# Allegro board BeagleBone_Black_RevB3_NO_LOGO.brd (continued)
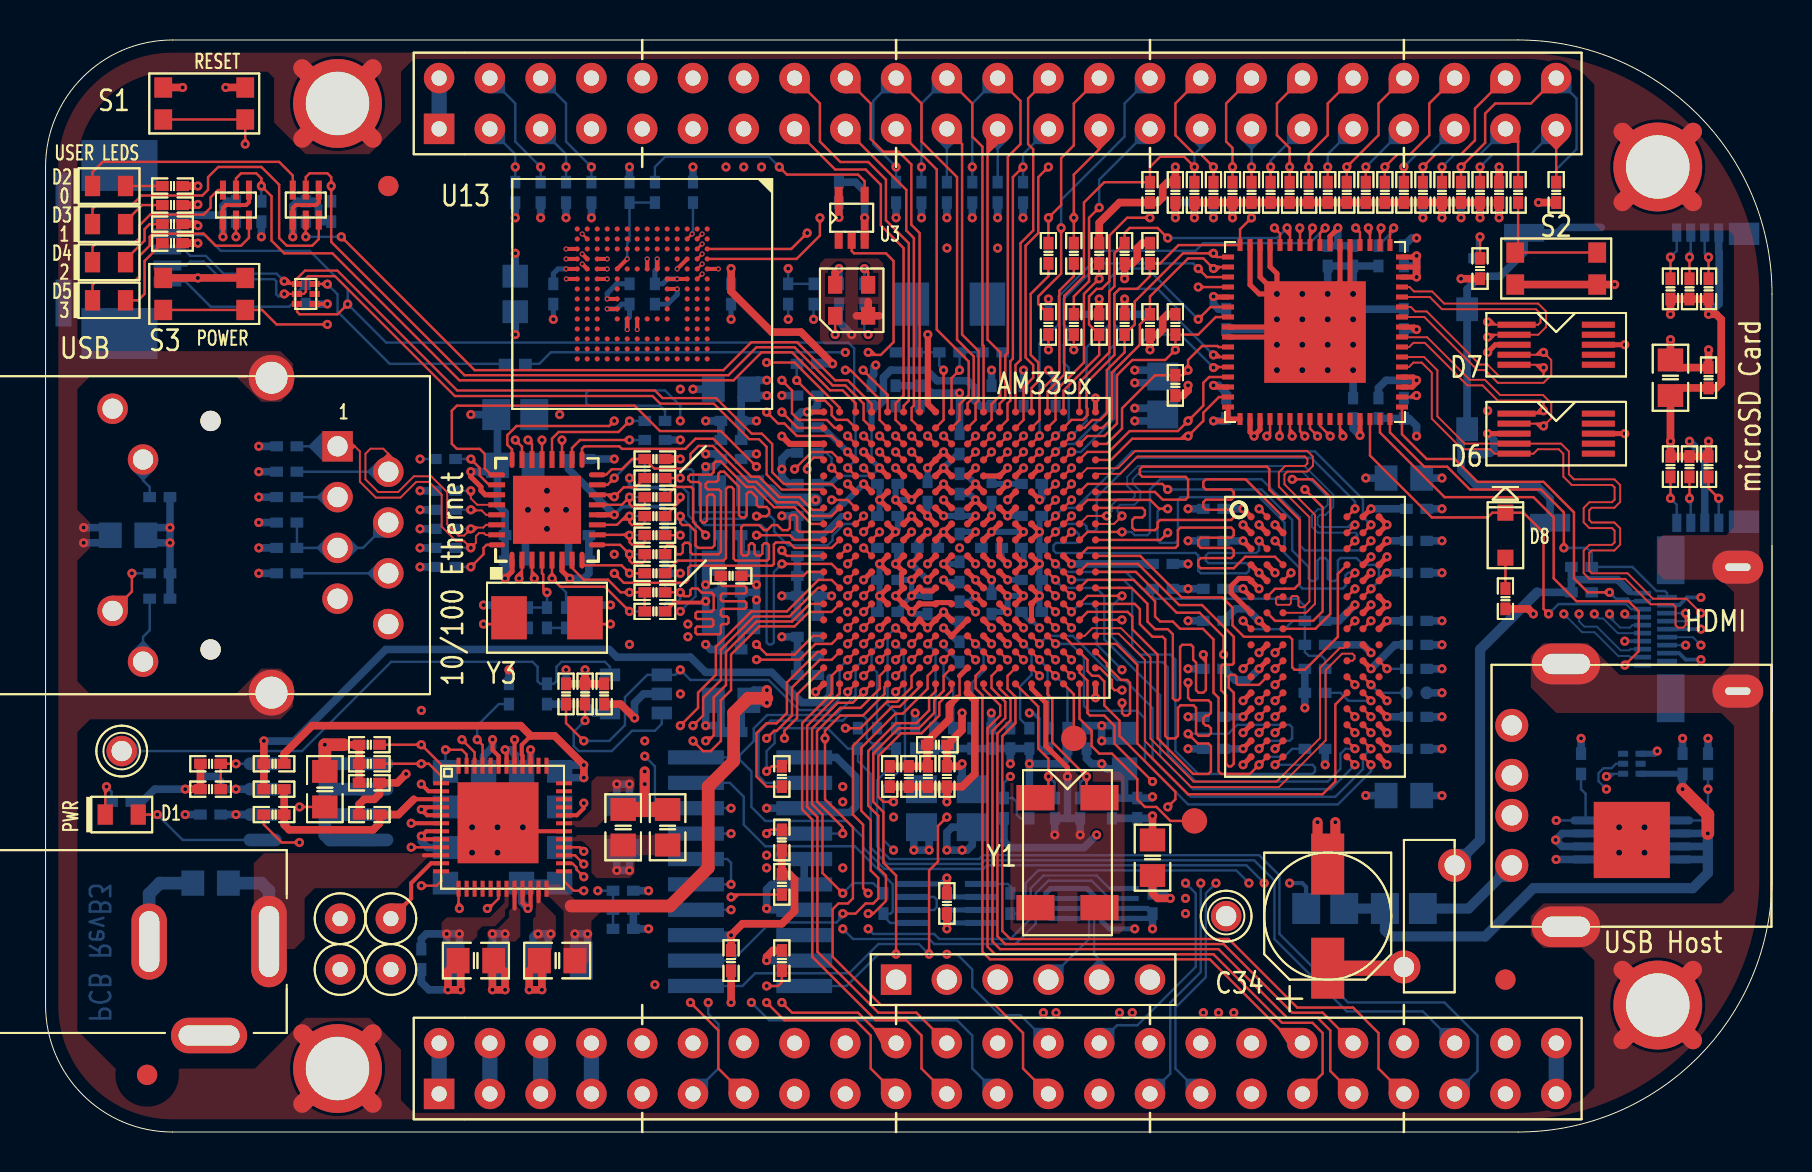
[diagram p0: board, top side]
## Routing (per net, layer and track width the routed paths; a pad name or vN(x,y) marks a point on that pad's centre or on a via; arc(x,y) is an arc through that point) (continued)
LCD_DATA7: length 42.4
  TOP w0.121: v1(57.66,43.18) 58.08,42.76 U11.3 ; R88.1 v1(65.09,48.26) 66.67,49.85 66.67,51.44 P8.40 ; v1(50.52,34.81) U5.T4
  LYR3 w0.133: v1(65.09,48.26) 65.09,48.32 64.39,49.02 64.39,50.67 63.5,51.56 59.82,51.56 58.93,50.67 58.93,49.78 58.17,49.02 57.53,49.02 57.02,48.51 57.02,43.81 v1(57.66,43.18)
  BOTTOM w0.121: v1(65.09,48.26) R88.1 ; v1(57.66,43.18) 57.4,43.43 52.7,43.43 50.93,41.66 50.93,40.39 C161.1 50.93,39.37 50.93,38.48 51.18,38.23 51.18,35.47 v1(50.52,34.81)
LCD_DATA8: length 32.8
  TOP w0.121: R87.1 v1(64.14,48.26) ; U5.U1 52.86,35.21 53.34,35.69 53.34,37.97 54.74,39.37 54.74,40.39 C160.1 55.24,41.78 57.15,43.69 57.91,43.69 v1(58.42,43.18) 58.49,43.25 U11.2
  LYR3 w0.133: v1(64.14,48.26) 64.14,50.55 63.37,51.31 59.94,51.31 59.18,50.55 59.18,49.66 57.91,48.39 57.91,43.69 v1(58.42,43.18)
  BOTTOM w0.121: R87.1 v1(64.14,48.26) 64.14,48.9 P8.37
LCD_DATA9: length 30.2
  TOP w0.121: R86.1 v1(63.18,48.26) 63.18,48.9 64.14,49.85 64.14,51.44 P8.38 ; U11.1 58.61,43.76 v1(58.42,43.94) 56.9,43.94 54.48,41.53 54.48,40.39 C157.1 53.98,38.99 53.09,38.1 53.09,35.94 52.75,35.61 52.36,35.61 51.96,35.21 U5.U2
  LYR3 w0.133: v1(63.18,48.26) 63.18,48.32 62.36,49.15 59.56,49.15 58.93,48.51 58.93,44.45 v1(58.42,43.94)
  BOTTOM w0.121: v1(63.18,48.26) R86.1
LCD_DATA10: length 30
  TOP w0.121: U5.U3 51.32,35.61 51.88,35.61 52.12,35.85 52.12,36.17 52.07,36.22 52.07,37.47 53.47,38.86 53.47,41.91 53.72,42.16 54.61,42.16 55.24,42.8 C156.1 55.75,43.43 56.67,44.36 U11.64 59.75,45.14 v1(60.33,45.72) ; R85.1 v1(62.23,48.26) 62.23,49.21 61.59,49.85 61.59,51.44 P8.36
  LYR3 w0.133: v1(60.33,45.72) 60.33,47.37 59.82,47.88 59.82,48.51 60.2,48.9 61.01,48.9 61.01,48.9 61.59,48.9 v1(62.23,48.26)
  BOTTOM w0.121: v1(62.23,48.26) R85.1
LCD_DATA11: length 32.4
  TOP w0.121: P8.34 59.05,51.44 59.05,49.53 59.37,49.21 v1(59.37,48.26) R84.1 ; U11.60 61.75,44.93 v1(61.47,45.21) ; C168.1 v1(52.7,42.67) 51.94,41.91 51.94,38.48 50.52,37.06 50.52,35.61 U5.U4
  LYR3 w0.133: v1(59.37,48.26) 59.37,47.56 59.82,47.12 59.82,45.47 60.07,45.21 v1(61.47,45.21) 61.47,44.32 59.82,42.67 57.4,42.67 56.9,43.18 53.21,43.18 v1(52.7,42.67)
  BOTTOM w0.121: v1(59.37,48.26) R84.1
LCD_DATA12: length 26.9
  TOP w0.121: R83.1 v1(61.28,48.26) ; v1(62.1,45.21) 62.25,45.06 U11.59 ; v1(56.13,44.7) 55.63,45.21 54.23,45.21 53.98,44.96 C167.1 53.47,43.94 53.47,42.29 53.21,42.04 53.21,38.99 51.72,37.5 U5.V2
  LYR3 w0.133: v1(62.1,45.21) 61.28,46.04 v1(61.28,48.26)
  BOTTOM w0.121: R83.1 v1(61.28,48.26) 61.28,48.58 P8.35 ; v1(56.13,44.7) 61.59,44.7 v1(62.1,45.21)
LCD_DATA13: length 30.4
  TOP w0.121: U5.V3 50.92,37.08 52.7,38.86 C166.1 52.2,40.39 52.2,41.78 52.58,42.16 52.83,42.16 53.21,42.55 53.21,44.83 54.1,45.72 v1(55.24,45.72) ; U11.58 62.75,45.2 v1(62.74,45.21) ; R82.1 v1(60.33,48.26)
  LYR3 w0.133: v1(60.33,48.26) 60.73,48.66 61.1,48.66 61.11,48.67 61.45,48.67 61.72,48.39 61.72,46.23 v1(62.74,45.21)
  LYR4 w0.133: v1(55.24,45.72) 55.75,46.23 61.72,46.23 v1(62.74,45.21)
  BOTTOM w0.121: R82.1 v1(60.33,48.26) P8.33
LCD_DATA14: length 42
  TOP w0.121: U5.V4 50.12,37.04 50.96,37.88 50.96,41.82 51.94,42.8 51.94,46.48 52.96,47.5 C165.1 55.24,48.26 55.75,48.77 56.96,48.77 v1(57.47,48.26) R81.1 ; v1(63.37,45.21) 63.25,45.05 U11.57
  LYR4 w0.133: v1(57.47,48.26) 58.1,48.9 66.17,48.9 66.55,48.51 66.55,47.75 68.08,46.22 68.08,44.84 67.44,44.2 64.39,44.2 v1(63.37,45.21)
  BOTTOM w0.121: P8.31 57.78,49.21 57.47,48.9 v1(57.47,48.26) R81.1
LCD_DATA15: length 46.8
  TOP w0.121: U11.56 63.75,44.95 v1(64.01,45.21) ; R80.1 v1(58.42,48.26) 57.78,48.9 57.47,48.9 56.52,49.85 56.52,51.44 P8.32 ; v1(49.72,34.81) U5.T5
  LYR4 w0.133: v1(64.01,45.21) 64.77,44.45 67.31,44.45 67.84,44.98 67.84,45.82 65.91,47.75 58.93,47.75 v1(58.42,48.26)
  BOTTOM w0.121: v1(49.72,34.81) 49.72,39.43 C164.1 50.67,40.39 50.67,41.78 52.96,44.07 57.53,44.07 57.91,44.45 63.25,44.45 v1(64.01,45.21) ; v1(58.42,48.26) R80.1
LCD_DE: length 31.6
  TOP w0.121: v1(50.8,45.21) 50.8,42.93 49.66,41.78 49.66,41.4 R48.2 ; U11.20 61.25,34.96 v1(61.09,34.8)
  LYR4 w0.133: v1(50.8,45.21) 51.18,44.83 53.47,44.83 57.02,41.27 57.6,41.27 58.06,40.81 59.18,39.69 59.18,36.7 v1(61.09,34.8)
  BOTTOM w0.121: 55.24,52.7 53.98,51.44 53.98,49.78 50.8,46.61 v1(50.8,45.21)
LCD_HSYNC: length 28.4
  TOP w0.121: U11.22 62.25,34.9 v1(62.36,34.8) ; R47.2 51.44,41.78 52.2,42.55 52.2,45.72 v1(52.7,46.23)
  LYR4 w0.133: v1(62.36,34.8) 60.2,36.96 60.2,40.77 58.23,42.74 57.09,42.74 53.59,46.23 v1(52.7,46.23)
  BOTTOM w0.121: v1(52.7,46.23) 52.7,47.62 55.24,50.16
LCD_PCLK: length 20.1
  TOP w0.121: v1(57.66,42.25) U11.4 ; P8.28 51.44,51.44 51.44,49.34 50.8,48.7 50.8,46.35 v1(50.16,45.72) R45.2
  LYR4 w0.133: v1(50.16,45.72) 50.67,46.23 51.82,46.23 52.45,45.59 53.72,45.59 57.06,42.25 v1(57.66,42.25)
LCD_VSYNC: length 23.6
  TOP w0.121: U11.21 61.75,34.83 v1(61.72,34.8) ; R46.2 v1(51.44,45.72) 51.44,47.88 52.7,49.15 P8.27
  LYR4 w0.133: v1(51.44,45.72) 51.94,45.21 53.59,45.21 57.15,41.66 57.78,41.66 59.69,39.75 59.69,36.83 v1(61.72,34.8)
LCDDE: length 6.9
  TOP w0.121: v1(48.92,34.01) U5.R6 ; R48.1 v1(50.16,39.12)
  LYR3 w0.121: 49.32,35.18 49.32,34.41 v1(48.92,34.01)
  LYR3 w0.133: v1(50.16,39.12) 49.53,38.48 49.53,35.39 49.32,35.18
LCDPCLK: length 8.1
  TOP w0.121: U5.V5 49.32,37.21 49.66,37.55 49.66,38.48 49.28,38.86 49.28,41.91 50.16,42.8 R45.1
LCDVHYNC: length 7.1
  TOP w0.121: v1(49.72,34.01) U5.R5 ; v1(51.44,39.12) R47.1
  LYR3 w0.121: v1(49.72,34.01) 50.12,34.41 50.12,35.13
  LYR3 w0.133: v1(51.44,39.12) 51.44,36.45 50.12,35.13
LCDVSYNC: length 9.1
  TOP w0.121: U5.U5 49.72,35.61 49.72,37.02 50.71,38.01 50.71,42.08 51.44,42.8 R46.1
LDO_PGOOD: length 35.9
  TOP w0.121: U2.46 21.46,18.99 v1(20.83,19.62) ; U5.B5 v1(49.72,22.81)
  LYR3 w0.133: v1(20.83,19.62) 22.67,21.46 33.53,21.46 34.9,20.09 37.57,20.09 38.86,18.8 43.18,18.8 43.81,19.43 48.64,19.43 49.72,20.51 v1(49.72,22.81)
LEDAA: length 1.8
  TOP w0.121: R72.2 D2.2
LEDAC: length 11.9
  TOP w0.121: Q1.6 12.37,47.83 11.68,48.51 2.86,48.51 2.35,48.01 D2.1
LEDBA: length 2.3
  TOP w0.121: D3.2 4,45.53 4.83,46.35 R73.2
LEDBC: length 17.6
  TOP w0.121: D3.1 2.35,46.16 2.54,46.35 4.32,46.35 4.79,46.83 7.84,46.83 8.13,47.12 8.13,47.75 8.64,48.26 10.79,48.26 11.68,47.37 11.68,44.7 12.06,44.32 13.34,44.32 13.67,44.66 Q1.3
LEDCA: length 3
  TOP w0.121: D4.2 4,43.62 4.95,44.58 4.95,45.15 5.21,45.4 R74.2
LEDCC: length 9.1
  TOP w0.121: D4.1 2.35,44.26 2.54,44.45 4.45,44.45 4.7,44.7 4.7,45.34 5.24,45.88 7.91,45.88 8.26,46.23 8.26,46.74 8.62,47.11 Q2.6
LEDDA: length 4
  TOP w0.121: R71.2 4.95,43.56 4.95,41.91 4.64,41.59 D5.2
LEDDC: length 11.8
  TOP w0.121: D5.1 2.35,42.35 2.54,42.55 4.45,42.55 4.7,42.8 4.7,43.81 5.21,44.32 5.21,44.77 5.37,44.93 7.91,44.93 8.51,44.32 9.78,44.32 10.17,44.72 Q2.3
MDIO_CLK: length 14.5
  TOP w0.121: U14.17 26.83,34.17 26.95,34.29 28.7,34.29 28.83,34.16 32,34.16 32.51,34.67 33.4,34.67 35.31,32.77 35.69,32.77 36.7,31.75 37.72,31.75 38.35,31.11 38.82,31.11 U5.M18
MDIO_DATA: length 15
  TOP w0.121: U5.M17 39.32,30.81 38.28,30.81 37.59,31.5 36.58,31.5 35.56,32.51 35.18,32.51 33.38,34.31 32.66,34.31 32.26,33.91 32.26,33.46 31.97,33.18 30.45,33.18 R119.2 29.34,33.66 28.83,33.15 28.32,33.15 28.04,32.87 U14.16
MII1_COL: length 24.2
  TOP w0.121: v1(40.12,27.61) U5.H16
  LYR3 w0.133: v1(40.12,27.61) 39.79,27.94 32.64,27.94 32.51,27.81 32.51,26.67 32.38,26.54 29.84,26.54 29.72,26.42 29.72,25.27 29.84,25.15 30.86,25.15 30.99,25.27 30.99,25.91 31.11,26.04 v1(31.75,26.04)
  BOTTOM w0.121: v1(31.75,26.04) 32.51,26.8 32.51,30.48 32.15,30.84 32.15,31.95 31.84,32.26 31.43,32.26 R138.1
MII1_CRS_DV: length 25.6
  TOP w0.121: R139.1 v1(31.75,32.7) ; U5.H17 39.32,28.41 v1(36.83,28.41)
  BOTTOM w0.121: v1(31.75,32.7) 31.75,33.05 31.85,33.15 32.3,33.15 32.4,33.05 32.4,31.09 32.5,30.99 34.95,30.99 35.05,30.89 35.05,30.77 34.95,30.67 32.96,30.67 32.86,30.57 32.86,30.45 32.96,30.35 35.81,30.35 36.07,30.1 36.07,24.49 36.17,24.38 36.33,24.38 36.43,24.49 36.43,28.01 v1(36.83,28.41)
MII1_REFCLK: length 18.3
  TOP w0.121: R124.1 v1(31.75,26.99) 31.94,26.8 32.18,26.8 32.26,26.87 32.26,27.1 32.33,27.18 32.62,27.18 32.83,26.97 33.32,26.97 33.42,26.87 33.42,26.12 33.32,26.02 32.59,26.02 32.51,25.94 32.51,25.73 32.59,25.65 33.32,25.65 33.4,25.58 33.4,25.35 33.32,25.27 32.59,25.27 32.51,25.2 32.51,24.97 32.59,24.89 33.71,24.89 33.78,24.97 33.78,25.32 33.86,25.4 34.09,25.4 34.16,25.48 34.16,25.7 34.09,25.78 33.86,25.78 33.78,25.86 33.78,26.09 33.86,26.16 34.98,26.16 35.05,26.24 35.05,26.47 34.98,26.54 33.86,26.54 33.78,26.62 33.78,26.85 33.86,26.92 34.98,26.92 35.05,27 35.05,27.23 34.98,27.3 33.86,27.3 33.78,27.38 R28.2
  BOTTOM w0.121: R140.1 30.99,26.42 31.11,26.54 31.62,26.54 31.75,26.67 v1(31.75,26.99)
MII1_RXCLK: length 23.8
  TOP w0.121: U5.L18 38.3,30.41 37.47,31.24 36.45,31.24 35.43,32.26 35.05,32.26 33.78,33.53 33.53,33.53 33.42,33.42 33.42,33 33.29,32.87 32.26,32.87 32.15,32.77 32.15,32.63 32.28,32.51 32.66,32.51 32.77,32.4 32.77,30.58 32.87,30.48 32.98,30.48 33.08,30.58 33.08,31.78 33.19,31.88 33.36,31.88 33.46,31.78 33.46,29.34 33.34,29.21 32.64,29.21 32.51,29.34 32.51,30.04 32.19,30.35 31.85,30.35 31.75,30.45 v1(31.75,30.8)
  BOTTOM w0.121: v1(31.75,30.8) 32.26,30.29 32.26,27.81 31.88,27.43 31.11,27.43 30.99,27.3 R131.1
MII1_RXD0: length 24.3
  TOP w0.121: v1(39.32,31.61) 40.12,31.61 U5.M16 ; R128.1 31.75,31.56 v1(31.75,31.75)
  LYR3 w0.133: v1(39.32,31.61) 38.91,32.02 32.64,32.02 32.36,32.3 31.37,32.3 31.24,32.42 31.24,33.02 31.37,33.15 32.28,33.15 32.38,33.25 32.38,34.06 32.28,34.16 31.37,34.16 31.24,34.29 31.24,34.92 31.37,35.05 32.28,35.05 32.38,35.15 32.38,35.97 32.28,36.07 30.96,36.07 30.86,35.97 30.86,31.85 30.96,31.75 v1(31.75,31.75)
MII1_RXD1: length 24.1
  TOP w0.121: R127.1 v1(31.75,29.84) ; U5.L15 v1(40.92,30.01)
  LYR3 w0.121: v1(40.92,30.01) 40.52,29.61 39.75,29.61
  LYR3 w0.133: 39.75,29.61 38.82,29.61 37.19,31.24 35.26,31.24 35.15,31.14 35.15,30.68 35.08,30.61 34.9,30.61 34.8,30.71 34.8,31.14 34.7,31.24 34.52,31.24 34.42,31.14 34.42,30.71 34.32,30.61 34.14,30.61 34.04,30.71 34.04,31.14 33.93,31.24 33.76,31.24 33.66,31.14 33.66,30.71 33.55,30.61 33.38,30.61 33.27,30.71 33.27,31.14 33.17,31.24 32.99,31.24 32.89,31.14 32.89,30.86 32.26,30.23 32.26,29.72 31.88,29.34 30.1,29.34 29.62,29.82 29.62,31.88 29.74,32 29.97,32 30.1,31.88 30.1,30.23 30.23,30.1 31.5,30.1 v1(31.75,29.84)
MII1_RXD2: length 24.1
  TOP w0.121: v1(35.56,30.8) 36.07,30.8 36.2,30.92 36.2,31.13 36.07,31.26 35.68,31.26 35.58,31.36 35.58,31.74 35.31,32.01 35.17,32.01 35.07,31.91 35.07,30.85 34.96,30.73 34.8,30.73 34.69,30.85 34.69,32.27 33.94,33.02 33.76,33.02 33.66,32.92 33.66,32.61 33.55,32.51 33.12,32.51 33.02,32.41 33.02,32.23 33.12,32.13 33.68,32.13 33.78,32.03 33.78,29.02 33.66,28.89 32.36,28.89 32.26,28.99 32.26,29.36 32.16,29.46 31.98,29.46 31.88,29.36 31.88,28.99 31.78,28.89 31.6,28.89 31.5,28.99 31.5,29.24 31.39,29.34 31.09,29.34 30.99,29.24 R126.1 ; U5.L16 v1(40.92,30.81)
  BOTTOM w0.121: v1(40.92,30.81) U5.L16 39.95,30.41 39.37,29.83 39.37,29.59 39.12,29.34 37.14,29.34 36.45,30.03 36.45,30.61 36.26,30.8 v1(35.56,30.8)
MII1_RXD3: length 24.4
  TOP w0.121: R125.1 31.62,28.57 33.91,28.57 34.04,28.7 34.04,32.16 34.14,32.26 34.32,32.26 34.42,32.16 34.42,28.68 34.52,28.57 36.09,28.57 36.18,28.66 36.18,29.36 36.09,29.45 35.96,29.45 35.86,29.34 35.86,28.93 35.76,28.83 35.57,28.83 35.47,28.93 35.47,29.34 35.36,29.45 35.28,29.45 35.18,29.34 35.18,28.93 35.08,28.83 34.9,28.83 34.8,28.93 34.8,30.25 34.9,30.35 35.69,30.35 35.94,30.1 36.09,30.1 36.35,30.35 36.6,30.35 36.86,30.1 37.13,30.1 37.23,30.2 37.23,30.78 37.31,30.86 37.49,30.86 37.59,30.76 37.59,30.11 37.69,30.01 39.32,30.01 U5.L17
MII1_RXDV: length 25.8
  TOP w0.121: U5.J17 v1(40.12,29.21)
  LYR3 w0.133: v1(18.73,33.66) 19.81,33.66 20.94,32.52 21.58,32.52 24.77,29.34 29.59,29.34 29.84,29.08 32,29.08 32.61,29.69 32.61,30.07 32.89,30.35 37.59,30.35 38.73,29.21 v1(40.12,29.21)
  BOTTOM w0.121: v1(18.73,33.66) R129.1
MII1_RXERR: length 24.3
  TOP w0.121: R133.1 31.5,32.26 32.29,32.26 32.39,32.16 32.39,30.51 33.02,29.88 v1(33.02,29.84) ; U5.J15 v1(40.92,29.21)
  LYR3 w0.121: 39.86,28.81 40.52,28.81 v1(40.92,29.21)
  LYR3 w0.133: v1(33.02,29.84) 33.02,28.57 33.15,28.45 33.55,28.45 33.66,28.55 33.66,30 33.76,30.1 33.93,30.1 34.04,30 34.04,28.55 34.14,28.45 34.44,28.45 34.54,28.55 34.54,30 34.65,30.1 34.82,30.1 34.92,30 34.92,28.55 35.03,28.45 35.2,28.45 35.31,28.55 35.31,29.24 35.41,29.34 35.59,29.34 35.69,29.24 35.69,28.55 35.79,28.45 35.94,28.45 36.07,28.57 36.07,29.87 36.17,29.97 37.47,29.97 37.57,29.87 37.57,28.96 37.72,28.81 39.86,28.81
MII1_TXCLK: length 22.6
  TOP w0.121: v1(35.56,29.84) 37.23,29.84 37.47,29.61 U5.K18
  LYR5_PWR w0.121: v1(35.56,29.84) 36.07,30.35 36.07,32.13 33.4,34.8 32.51,34.8 v1(31.75,35.56)
  BOTTOM w0.121: v1(31.75,35.56) 31.75,36.32 30.99,37.08 27.18,37.08 27.05,36.96 27.05,36.45 27.18,36.32 30.73,36.32 30.99,36.07 R134.1
MII1_TXD0: length 28.1
  TOP w0.121: U14.22 24.33,34.41 v1(24.13,34.61) ; U5.K17 39.32,29.21 37.47,29.21 37.19,29.48 36.53,29.48 36.43,29.38 36.43,28.4 36.35,28.32 32.26,28.32 32.15,28.21 32.15,27.61 32,27.46 28.92,27.46 v1(28.45,27.94)
  LYR4 w0.133: v1(28.45,27.94) 27.94,28.45 24.38,28.45 22.35,30.48 22.35,34.8 22.61,35.05 23.69,35.05 v1(24.13,34.61)
MII1_TXD1: length 28.1
  TOP w0.121: U14.23 23.83,34.27 v1(23.5,34.61) ; v1(40.12,30.01) U5.K16
  LYR3 w0.133: v1(40.12,30.01) 38.82,30.01 37.34,31.5 32.64,31.5 32.16,31.01 32.16,30.63 31.92,30.39 30.48,30.39 30.35,30.52 30.35,32.98 30.23,33.11 23.62,33.11 23.5,33.23 23.5,33.41 23.62,33.53 25.78,33.53 25.91,33.66 25.91,33.91 25.78,34.04 23.62,34.04 23.5,34.16 v1(23.5,34.61)
MII1_TXD2: length 28.1
  TOP w0.121: U14.24 23.33,34.14 23.1,34.37 23.1,34.84 23.56,35.31 28.19,35.31 v1(28.45,35.56) ; U5.K15 v1(41.72,30.01)
  LYR3 w0.121: v1(41.72,30.01) 41.72,30.01 41.32,30.41 39.88,30.41
  LYR3 w0.133: 39.88,30.41 38.93,30.41 37.59,31.75 32.51,31.75 32.03,31.27 30.71,31.27 30.61,31.37 30.61,36.58 30.48,36.7 28.57,36.7 28.45,36.58 v1(28.45,35.56)
MII1_TXD3: length 28.5
  TOP w0.121: v1(35.56,33.27) 33.78,35.05 30.73,35.05 29.46,36.32 20.57,36.32 20.32,36.07 20.32,34.42 20.57,34.16 21.72,34.16 21.97,33.91 21.97,33.18 22.29,32.87 U14.25 ; v1(36.83,29.08) 36.83,29.06 37.08,28.81 U5.J18
  LYR5_PWR w0.121: v1(35.56,33.27) 36.32,32.51 36.32,29.59 v1(36.83,29.08)
MII1_TXEN: length 28
  TOP w0.121: v1(40.12,28.41) U5.J16 ; v1(24.83,34.61) U14.21
  LYR3 w0.133: v1(28.45,28.89) 26.9,28.89 26.8,28.79 26.8,27.53 26.9,27.43 32.13,27.43 32.26,27.56 32.26,28.07 32.38,28.19 36.2,28.19 36.32,28.32 36.32,29.46 36.45,29.59 37.24,29.59 37.34,29.49 37.34,28.51 37.44,28.41 v1(40.12,28.41)
  LYR4 w0.133: v1(24.83,34.61) 26.92,32.52 26.92,30.42 v1(28.45,28.89)
MMC0_CD: length 85.2
  TOP w0.121: R157.1 v1(71.75,44.77) ; v1(40.92,23.61) U5.C15
  LYR3 w0.133: v1(72.14,36.07) 71.5,36.7 71.5,40.89 71.75,41.15 v1(71.75,44.77)
  LYR4 w0.133: v1(72.14,36.07) 71.63,35.56 71.63,17.91 67.69,13.97 62.48,13.97 v1(60.96,12.45)
  BOTTOM w0.121: v1(40.92,23.61) 40.52,23.21 40.52,21.84 39.53,20.85 36.09,20.85 35.42,20.18 35.42,19.55 34.61,18.73 ; v1(60.96,12.45) 60.07,13.34 47.09,13.34 46.91,13.16 41.96,13.16 40.89,14.22 40.89,14.73 40.07,15.56 36,15.56 35.31,16.26 35.31,18.03 34.61,18.73 ; 34.61,18.73 P2.19 ; v1(71.75,44.77) 71.61,44.62 P10.10
MMC0_CLKO: length 82.6
  TOP w0.121: R152.2 83.19,32.2 v1(83.7,31.69) ; U5.G17 39.32,27.61 38.66,27.61 37.08,26.04 35.31,26.04 33.53,24.26 33.53,22.86 32.64,21.97 32.64,21.21 v1(31.75,20.32)
  LYR3 w0.133: v1(83.7,31.69) 83.06,32.32 75.95,32.32 69.22,25.59 69.22,17.84 66.22,14.85 53.85,14.85 52.96,15.75 48.39,15.75 46.61,17.53 40.89,17.53 40.64,17.78 39.62,17.78 38.86,17.02 33.78,17.02 31.74,19.06 31.74,20.31 v1(31.75,20.32)
  BOTTOM w0.121: P10.5 v1(83.7,31.69)
MMC0_CMD: length 88.2
  TOP w0.121: v1(32.38,20.32) 32.89,20.83 32.89,21.72 33.78,22.61 33.78,24.13 35.43,25.78 37.21,25.78 38.64,27.21 U5.G18 ; R151.2 v1(83.19,43.75)
  LYR3 w0.133: v1(32.38,20.32) 31.98,19.91 31.98,19.33 34.04,17.27 38.61,17.27 39.37,18.03 44.96,18.03 45.21,17.78 46.86,17.78 48.64,16 53.34,16 54.25,15.09 65.95,15.09 68.9,18.03 68.9,25.72 75.82,32.64 78.68,32.64 82.55,36.51 82.55,43.12 v1(83.19,43.75)
  BOTTOM w0.121: P10.3 83,43.94 v1(83.19,43.75)
MMC0_DAT0: length 70.3
  TOP w0.121: v1(82.23,31.69) R153.2 ; v1(40.12,26.81) U5.G16
  LYR3 w0.133: v1(82.23,31.69) 81.34,30.8 75.37,30.8 70.99,26.42 70.99,18.61 66.74,14.35 48.77,14.35 46.1,17.02 40.39,17.02 v1(39.88,16.51)
  LYR4 w0.133: v1(39.88,16.51) 38.35,18.03 38.35,18.46 38.35,18.47 38.35,21.34 38.1,21.58 38.1,24.99 39.92,26.81 v1(40.12,26.81)
  BOTTOM w0.121: P10.7 82.3,31.62 v1(82.23,31.69)
MMC0_DAT1: length 68.5
  TOP w0.121: v1(81.28,31.69) R154.2 ; v1(40.92,26.81) U5.G15
  LYR3 w0.133: v1(39.88,17.27) 46.35,17.27 48.13,15.49 52.58,15.49 53.47,14.61 66.48,14.61 70.48,18.61 70.48,26.42 75.5,31.43 81.03,31.43 v1(81.28,31.69)
  LYR4 w0.121: 39.74,26.19 39.95,26.41 40.52,26.41 v1(40.92,26.81)
  LYR4 w0.133: v1(39.88,17.27) 38.58,18.57 38.58,20.86 38.93,21.21 38.93,25.39 39.74,26.19
  BOTTOM w0.121: v1(81.28,31.69) 81.6,31.37 P10.8
MMC0_DAT2: length 85.3
  TOP w0.121: v1(33.02,19.56) 33.15,19.56 33.42,19.83 33.42,21.74 34.04,22.35 34.04,24 35.57,25.53 37.34,25.53 38.22,26.41 U5.F18 ; v1(81.28,43.75) R150.2
  LYR3 w0.133: v1(33.02,19.56) 34.04,18.54 43.43,18.54 44.07,19.18 51.44,19.18 54.36,16.26 55.56,16.26 56.19,15.62 62.48,15.62 63.12,16.26 66.1,16.26 68.26,18.41 68.26,27.24 69.47,28.45 70.61,28.45 75.44,33.27 78.04,33.27 81.92,37.15 81.92,43.12 v1(81.28,43.75)
  BOTTOM w0.121: P10.1 81.6,44.07 v1(81.28,43.75)
MMC0_DAT3: length 88.2
  TOP w0.121: U5.F17 39.32,26.01 38.19,26.01 37.47,25.29 35.7,25.29 34.29,23.88 34.29,22.1 33.78,21.59 33.78,19.56 33.27,19.05 32.89,19.05 v1(32.38,19.56) ; R155.2 v1(82.23,43.75)
  LYR3 w0.133: v1(82.23,43.75) 82.23,36.83 78.36,32.96 75.63,32.96 68.58,25.91 68.58,18.22 66.36,16 63.37,16 62.74,15.37 54.61,15.37 53.72,16.26 48.9,16.26 46.23,18.92 44.32,18.92 43.69,18.29 39.12,18.29 38.35,17.53 34.42,17.53 v1(32.38,19.56)
  BOTTOM w0.121: v1(82.23,43.75) 82.3,43.81 P10.2
MMC1_CLK: length 41.7
  TOP w0.121: P8.21 45.85,49.4 45.85,39.88 46.67,39.05 46.67,36.58 46.52,36.43 46.52,35.61 U5.U9
  TOP w0.203: U13.M6 v2(28.09,42.66)
  LYR4 w0.133: v2(28.09,42.66) 29.29,41.47 33.72,41.47 35.18,42.93 35.18,44.32 38.61,47.75 44.07,47.75 45.09,48.77 P8.21
  BOTTOM w0.121: R110.2 P8.21
MMC1_CMD: length 43.6
  TOP w0.121: P8.20 43.81,51.44 43.81,49.53 45.59,47.75 45.59,39.62 46.42,38.79 46.42,36.75 46.12,36.44 U5.V9
  TOP w0.203: U13.M5 v2(28.09,43.16)
  LYR4 w0.133: v2(28.09,43.16) 29.42,41.83 33.57,41.83 34.8,43.05 34.8,44.45 38.61,48.26 v1(42.55,48.26)
  BOTTOM w0.121: R109.2 v1(42.55,48.26) 41.4,49.4 41.4,51.56 P8.20
MMC1_DAT0: length 34.2
  TOP w0.121: U13.A3 37.3,44.16 v1(38.1,44.96) ; U5.U7 48.12,35.61 48.12,36.44 48.26,36.58 48.26,38.54 48.39,38.67 48.39,47.75 v1(48.9,48.26)
  LYR4 w0.133: v1(38.1,44.96) 39.5,44.96 41.27,46.74 47.37,46.74 v1(48.9,48.26)
  BOTTOM w0.121: R101.2 v1(48.9,48.26) 48.9,48.9 P8.25
MMC1_DAT1: length 39
  TOP w0.121: v1(38.73,45.72) 38.73,44.83 37.56,43.66 U13.A4 ; P8.24 48.77,51.56 48.77,49.4 48.13,48.77 48.13,38.97 48.01,38.84 48.01,36.7 47.72,36.42 U5.V7
  LYR4 w0.133: v1(46.35,48.26) 45.34,47.24 40.26,47.24 v1(38.73,45.72)
  BOTTOM w0.121: P8.24 46.35,51.44 v1(46.35,48.26) R102.2
MMC1_DAT2: length 34.9
  TOP w0.121: v1(47.32,34.01) U5.R8
  TOP w0.203: v2(33.66,43.16) U13.A5
  LYR3 w0.121: 46.92,35.05 46.92,34.41 v1(47.32,34.01)
  LYR3 w0.133: v2(33.66,43.16) 34.18,43.69 41.15,43.69 46.23,38.61 46.23,35.81 46.92,35.12 46.92,35.05
  LYR4 w0.133: v2(33.66,43.16) 33.04,42.55 32.51,42.55 32.26,42.8 32.26,43.05 29.08,46.23 27.69,46.23 26.04,47.88 v1(26.04,48.26)
  BOTTOM w0.121: R103.2 v1(26.04,48.26) 26.04,48.9 P8.5
MMC1_DAT3: length 34.6
  TOP w0.121: U13.B2 v2(32.84,44.91) ; v1(47.32,34.81) U5.T8
  LYR3 w0.133: v1(47.32,34.81) 47.32,35.23 46.49,36.06 46.49,38.86 41.27,44.07 33.69,44.07 v2(32.84,44.91)
  LYR4 w0.133: v2(32.84,44.91) 30.38,47.37 28.19,47.37 v1(27.3,48.26)
  BOTTOM w0.121: R104.2 v1(27.3,48.26) 26.04,49.53 26.04,51.44 P8.6
MMC1_DAT4: length 37.5
  TOP w0.121: U13.B3 v2(32.84,44.41) ; U5.U8 47.32,35.61 47.32,36.4 47.75,36.83 47.75,38.99 47.12,39.62 47.12,49.66 P8.23
  LYR4 w0.133: v2(32.84,44.41) 33.74,44.41 38.73,49.4 38.73,50.67 39.24,51.18 46.61,51.18 P8.23
  BOTTOM w0.121: R105.2 P8.23
MMC1_DAT5: length 36.7
  TOP w0.121: U13.B4 v2(32.84,43.91) ; P8.22 46.35,51.44 46.35,49.78 46.86,49.28 46.86,39.37 46.92,39.31 U5.V8
  LYR4 w0.133: v2(32.84,43.91) 33.75,43.91 38.61,48.77 43.31,48.77 v1(43.81,48.26)
  BOTTOM w0.121: R106.2 v1(43.81,48.26) 43.81,51.44 P8.22
MMC1_DAT6: length 36.9
  TOP w0.121: U13.B5 v2(32.84,43.41) ; v1(46.52,34.01) U5.R9
  LYR3 w0.133: v2(32.84,43.41) 32.51,43.08 32.51,42.67 32.89,42.29 41.53,42.29 43.18,40.64 43.18,39.5 43.81,38.86 43.81,36.72 v1(46.52,34.01)
  LYR4 w0.133: v2(32.84,43.41) 32.66,43.41 29.08,46.99 27.94,46.99 26.9,48.03 26.9,48.67 26.54,49.02 24.26,49.02 v1(23.5,48.26)
  BOTTOM w0.121: R107.2 v1(23.5,48.26) 23.5,48.9 P8.3
MMC1_DAT7: length 36.9
  TOP w0.121: U13.B6 v2(32.84,42.91) ; v1(46.52,34.81) U5.T9
  LYR3 w0.133: v1(46.52,34.81) 44.2,37.13 44.2,38.99 43.56,39.62 43.56,40.77 41.66,42.67 33.51,42.67 33.27,42.91 v2(32.84,42.91)
  LYR4 w0.133: v2(32.84,42.91) 32.78,42.91 29.08,46.61 27.81,46.61 26.54,47.88 26.54,48.39 26.26,48.67 25.17,48.67 v1(24.77,48.26)
  BOTTOM w0.121: R108.2 v1(24.77,48.26) 23.5,49.53 23.5,51.44 P8.4
MODE2: length 3.9
  TOP w0.121: v1(28.45,32.7) 28.11,32.37 U14.15
  BOTTOM w0.121: R138.2 R113.1 29.4,33.66 v1(28.45,32.7)
OSC0_IN: length 6.8
  TOP w0.121: v1(45.72,38.1) 45.32,37.7 U5.V10
  BOTTOM w0.121: Y2.2 46.86,41.15 C25.1 R17.1 v1(45.72,38.1)
OSC0_OUT: length 7.7
  TOP w0.121: v1(44.92,38.1) 44.92,35.61 U5.U11
  BOTTOM w0.121: v1(44.92,38.1) 44.7,38.32 R17.2 C26.1 43.56,41.15 Y2.1
OSC1_IN: length 8.1
  TOP w0.121: U5.A6 49.66,21.27 49.66,19.18 50.16,18.67 v1(50.16,17.78) 50.16,16.95 49.93,16.72 Y1.1
  BOTTOM w0.121: v1(50.16,17.78) 50.48,17.46 C21.2
OSC1_OUT: length 8.2
  TOP w0.121: U5.A4 50.12,21.89 50.36,21.65 50.36,19.49 v1(52.07,17.78) 52.07,16.95 52.31,16.72 Y1.4
  BOTTOM w0.121: v1(52.07,17.78) 51.75,17.46 C22.2
P_BYPASS: length 2.8
  TOP w0.121: U2.47 21.06,18.88 20.83,19.11 v1(20,19.11)
  BOTTOM w0.121: C4.2 v1(20,19.11)
P_INT_LDO: length 4.4
  TOP w0.121: U2.48 19.85,18.31 v1(18.8,19.37) C3.2
P_L1: length 4.6
  TOP w0.203: U2.20 23.46,11.18
  BOTTOM w0.381: v1(22.99,9.91) 22.99,8.89 L1.1 22.35,8.89 v1(22.35,9.91) v1(22.99,9.91)
P_L2: length 4.5
  TOP w0.203: 24.66,11.53 U2.23
  BOTTOM w0.381: 25.15,9.21 L2.1 24.38,8.7 24.38,9.78 24.51,9.91 v1(24.64,9.91) v1(25.27,9.91) 25.15,9.78 25.15,9.21
P_L3: length 2.9
  BOTTOM w0.381: v1(28.57,17.4) 28.57,16.7 L3.1 29.21,16.7 v1(29.21,17.4) v1(28.57,17.4)
PHY_VDDCR: length 4.1
  TOP w0.254: v1(26.23,27.69) 26.21,27.69 25.83,28.06 U14.6
  BOTTOM w0.381: v1(26.23,27.69) 26.93,27.69 27.18,27.93 C134.1 C136.1
PHY_XTAL1: length 4.7
  TOP w0.121: Y3.1 27.3,25.4 v1(28.26,25.4)
  BOTTOM w0.121: R141.2 R142.1 C143.1 27.18,25.4 v1(28.26,25.4)
PHY_XTAL2: length 3.4
  TOP w0.121: U14.4 24.83,27.94 24.9,27.87 24.9,27.17 v1(25.08,26.99)
  BOTTOM w0.121: v1(25.08,26.99) R141.1 R143.1
PHYX: length 3.7
  TOP w0.121: v1(21.91,25.4) 22.87,25.4 Y3.2
  BOTTOM w0.121: v1(21.91,25.4) 22.99,25.4 C142.1 R143.2
PMIC_INT: length 25.3
  TOP w0.121: U5.B18 37.59,21.88 37.59,20.7 36.96,20.07 v1(36.96,19.68) ; v1(21.59,19.62) 21.86,19.35 U2.45
  LYR3 w0.133: v1(21.59,19.62) 22.03,20.07 29.72,20.07 30.48,20.83 33.15,20.83 34.8,19.18 36.45,19.18 v1(36.96,19.68)
  BOTTOM w0.121: R1.2 22.67,21.4 21.59,20.32 v1(21.59,19.62)
PMIC_PGOOD: length 26.8
  TOP w0.121: U2.26 26.35,13.44 26.56,13.23 26.56,13.13 v1(26.92,12.76) ; v1(40.92,22.81) U5.B15
  LYR3 w0.121: 39.95,23.21 40.52,23.21 v1(40.92,22.81)
  LYR3 w0.133: 39.95,23.21 35.92,23.21 35.91,23.22 32.66,23.22 32,23.88 29.72,23.88 v1(29.21,24.38)
  LYR4 w0.133: v1(26.92,12.76) 28.07,13.91 28.07,23.24 v1(29.21,24.38)
PMIC_POWR_EN: length 66
  TOP w0.121: v1(18.29,14.24) U2.9 ; v1(48.92,23.61) U5.C6
  LYR3 w0.133: v1(18.29,14.24) 18.34,14.24 19.56,13.02 19.56,9.65 20.19,9.02 29.59,9.02 30.86,7.75 38.23,7.75 39.37,6.6 55.88,6.6 57.02,7.75 v1(57.02,10.92)
  LYR4 w0.133: v1(57.02,10.92) 56.39,10.92 54.48,12.83 54.48,16.13 51.56,19.05 51.56,19.81 48.92,22.45 v1(48.92,23.61)
PROC_A15: length 15.2
  TOP w0.121: U5.A15 v1(40.92,22.01) 40.37,21.46 39.62,21.46 38.34,20.18 38.34,16.4 38.86,15.88 38.86,12.95 v1(39.88,11.94)
  BOTTOM w0.121: R18.1 41.4,12.45 40.39,12.45 v1(39.88,11.94)
PWR_BUT: length 60.6
  TOP w0.121: S3.4 S3.2 10.83,41.11 11.56,40.39 v1(14.1,40.39) ; v1(26.92,12.06) 26.42,12.06 25.93,12.55 U2.25
  LYR4 w0.133: v1(14.1,40.39) 13.84,40.13 13.84,35.94 13.34,35.43 13.34,24.26 15.11,22.48 21.97,22.48 25.65,18.8 25.65,13.34 v1(26.92,12.06) 29.46,9.53 29.46,6.1 28.57,5.21 28.57,3.17 P9.9
PWR_LEDR: length 2.3
  TOP w0.121: D1.1 2.98,17.21 v1(3.05,17.27)
  BOTTOM w0.121: v1(3.05,17.27) 3.3,17.02 R12.2
